# KiCad board HPPSI02.kicad_pcb (continued)
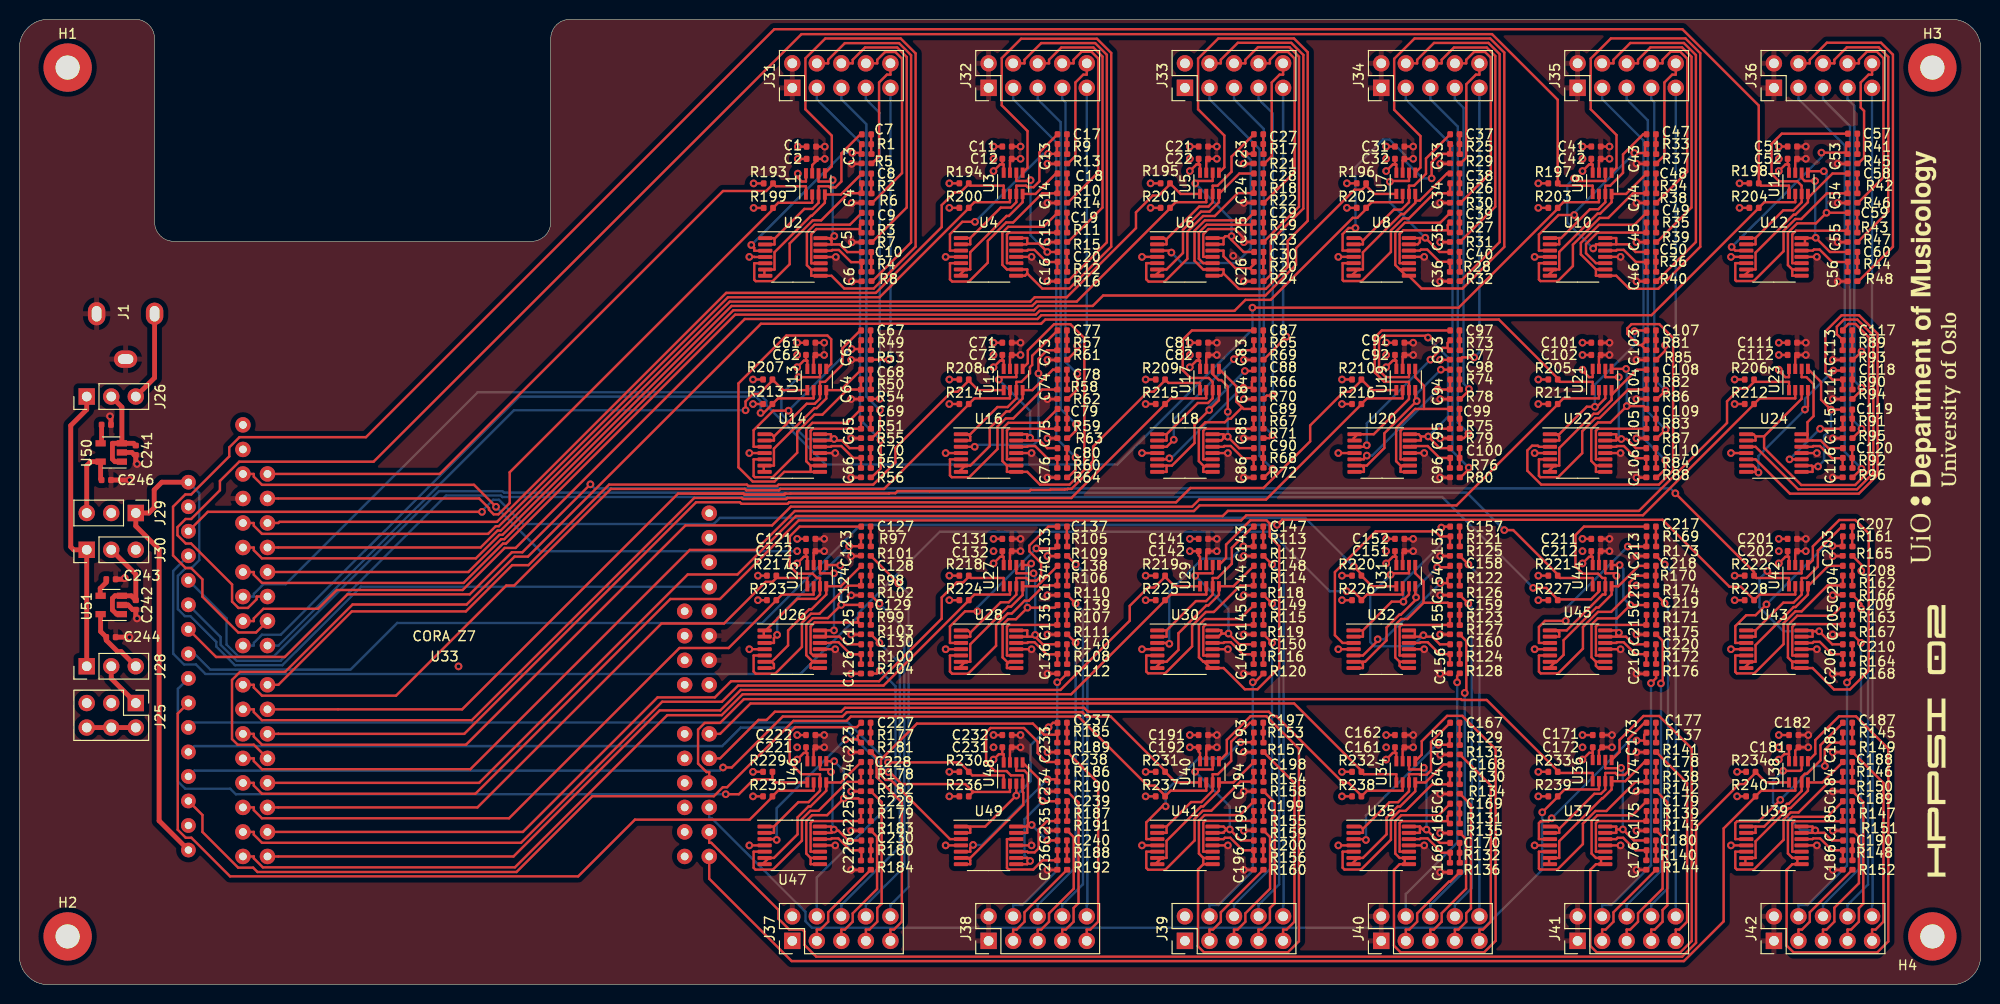
[diagram p0: board, top side]
## Placement (name value [footprint] x y rotation side) (continued)
R117  10K  [R_0402_1005Metric]  128.77 44.91 90 top
R118  10K  [R_0402_1005Metric]  128.77 40.85 90 top
R119  10K  [R_0402_1005Metric]  128.77 36.78 90 top
R120  10K  [R_0402_1005Metric]  128.77 32.72 90 top
R121  10K  [R_0402_1005Metric]  148.6 46.43 180 top
R122  10K  [R_0402_1005Metric]  148.58 42.37 180 top
R123  10K  [R_0402_1005Metric]  148.58 38.31 180 top
R124  10K  [R_0402_1005Metric]  148.58 34.24 180 top
R125  10K  [R_0402_1005Metric]  149.09 44.91 90 top
R126  10K  [R_0402_1005Metric]  149.09 40.85 90 top
R127  10K  [R_0402_1005Metric]  149.09 36.76 90 top
R128  10K  [R_0402_1005Metric]  149.09 32.74 90 top
R129  10K  [R_0402_1005Metric]  148.58 25.86 180 top
R130  10K  [R_0402_1005Metric]  148.58 21.8 180 top
R131  10K  [R_0402_1005Metric]  148.58 17.73 180 top
R132  10K  [R_0402_1005Metric]  148.58 13.67 180 top
R133  10K  [R_0402_1005Metric]  149.09 24.34 90 top
R134  10K  [R_0402_1005Metric]  149.09 20.27 90 top
R135  10K  [R_0402_1005Metric]  149.09 16.21 90 top
R136  10K  [R_0402_1005Metric]  149.09 12.14 90 top
R137  10K  [R_0402_1005Metric]  168.9 26.11 180 top
R138  10K  [R_0402_1005Metric]  168.88 22.05 180 top
R139  10K  [R_0402_1005Metric]  168.9 17.99 180 top
R140  10K  [R_0402_1005Metric]  168.9 13.92 180 top
R141  10K  [R_0402_1005Metric]  169.41 24.59 90 top
R142  10K  [R_0402_1005Metric]  169.41 20.55 90 top
R143  10K  [R_0402_1005Metric]  169.41 16.46 90 top
R144  10K  [R_0402_1005Metric]  169.41 12.4 90 top
R145  10K  [R_0402_1005Metric]  189.22 26.11 180 top
R146  10K  [R_0402_1005Metric]  189.22 22.05 180 top
R147  10K  [R_0402_1005Metric]  189.22 17.99 180 top
R148  10K  [R_0402_1005Metric]  189.22 13.92 180 top
R149  10K  [R_0402_1005Metric]  189.73 24.59 90 top
R150  10K  [R_0402_1005Metric]  189.73 20.53 90 top
R151  10K  [R_0402_1005Metric]  189.73 16.46 90 top
R152  10K  [R_0402_1005Metric]  189.73 12.4 90 top
R153  10K  [R_0402_1005Metric]  128.26 26.11 180 top
R154  10K  [R_0402_1005Metric]  128.26 22.05 180 top
R155  10K  [R_0402_1005Metric]  128.26 17.99 180 top
R156  10K  [R_0402_1005Metric]  128.26 13.92 180 top
R157  10K  [R_0402_1005Metric]  128.77 24.59 90 top
R158  10K  [R_0402_1005Metric]  128.77 20.53 90 top
R159  10K  [R_0402_1005Metric]  128.77 16.46 90 top
R160  10K  [R_0402_1005Metric]  128.77 12.4 90 top
R161  10K  [R_0402_1005Metric]  189.22 46.43 180 top
R162  10K  [R_0402_1005Metric]  189.22 42.37 180 top
R163  10K  [R_0402_1005Metric]  189.22 38.31 180 top
R164  10K  [R_0402_1005Metric]  189.22 34.24 180 top
R165  10K  [R_0402_1005Metric]  189.73 44.91 90 top
R166  10K  [R_0402_1005Metric]  189.73 40.85 90 top
R167  10K  [R_0402_1005Metric]  189.73 36.78 90 top
R168  10K  [R_0402_1005Metric]  189.73 32.72 90 top
R169  10K  [R_0402_1005Metric]  168.9 46.43 180 top
R170  10K  [R_0402_1005Metric]  168.88 42.37 180 top
R171  10K  [R_0402_1005Metric]  168.9 38.31 180 top
R172  10K  [R_0402_1005Metric]  168.88 34.24 180 top
R173  10K  [R_0402_1005Metric]  169.41 44.91 90 top
R174  10K  [R_0402_1005Metric]  169.41 40.87 90 top
R175  10K  [R_0402_1005Metric]  169.41 36.78 90 top
R176  10K  [R_0402_1005Metric]  169.41 32.74 90 top
R177  10K  [R_0402_1005Metric]  87.62 26.11 180 top
R178  10K  [R_0402_1005Metric]  87.62 22.05 180 top
R179  10K  [R_0402_1005Metric]  87.62 17.99 180 top
R180  10K  [R_0402_1005Metric]  87.64 13.92 180 top
R181  10K  [R_0402_1005Metric]  88.13 24.59 90 top
R182  10K  [R_0402_1005Metric]  88.13 20.53 90 top
R183  10K  [R_0402_1005Metric]  88.13 16.46 90 top
R184  10K  [R_0402_1005Metric]  88.13 12.4 90 top
R185  10K  [R_0402_1005Metric]  107.94 26.11 180 top
R186  10K  [R_0402_1005Metric]  107.94 22.05 180 top
R187  10K  [R_0402_1005Metric]  107.94 17.99 180 top
R188  10K  [R_0402_1005Metric]  107.94 13.92 180 top
R189  10K  [R_0402_1005Metric]  108.45 24.59 90 top
R190  10K  [R_0402_1005Metric]  108.45 20.53 90 top
R191  10K  [R_0402_1005Metric]  108.45 16.46 90 top
R192  10K  [R_0402_1005Metric]  108.45 12.4 90 top
R193  1K  [R_0402_1005Metric]  77.52 83 0 top
R194  1K  [R_0402_1005Metric]  97.78 83.01 0 top
R195  1K  [R_0402_1005Metric]  118.61 83.01 0 top
R196  1K  [R_0402_1005Metric]  138.91 83.01 0 top
R197  1K  [R_0402_1005Metric]  158.74 83.01 0 top
R198  1K  [R_0402_1005Metric]  179.54 83.01 0 top
R199  1K  [R_0402_1005Metric]  77.52 80.46 0 top
R200  1K  [R_0402_1005Metric]  97.78 80.47 0 top
R201  1K  [R_0402_1005Metric]  118.61 80.47 0 top
R202  1K  [R_0402_1005Metric]  138.91 80.47 0 top
R203  1K  [R_0402_1005Metric]  158.74 80.47 0 top
R204  1K  [R_0402_1005Metric]  179.54 80.47 0 top
R205  1K  [R_0402_1005Metric]  158.74 62.69 0 top
R206  1K  [R_0402_1005Metric]  179.06 62.69 0 top
R207  1K  [R_0402_1005Metric]  77.46 62.69 0 top
R208  1K  [R_0402_1005Metric]  97.78 62.69 0 top
R209  1K  [R_0402_1005Metric]  118.1 62.69 0 top
R210  1K  [R_0402_1005Metric]  138.42 62.69 0 top
R211  1K  [R_0402_1005Metric]  158.74 60.15 0 top
R212  1K  [R_0402_1005Metric]  179.06 60.15 0 top
R213  1K  [R_0402_1005Metric]  77.46 60.15 0 top
R214  1K  [R_0402_1005Metric]  97.78 60.15 0 top
R215  1K  [R_0402_1005Metric]  118.1 60.15 0 top
R216  1K  [R_0402_1005Metric]  138.42 60.15 0 top
R217  1K  [R_0402_1005Metric]  77.86 42.37 0 top
R218  1K  [R_0402_1005Metric]  97.78 42.37 0 top
R219  1K  [R_0402_1005Metric]  118.1 42.37 0 top
R220  1K  [R_0402_1005Metric]  138.42 42.37 0 top
R221  1K  [R_0402_1005Metric]  158.74 42.37 0 top
R222  1K  [R_0402_1005Metric]  179.06 42.37 0 top
R223  1K  [R_0402_1005Metric]  77.86 39.83 0 top
R224  1K  [R_0402_1005Metric]  97.78 39.83 0 top
R225  1K  [R_0402_1005Metric]  118.1 39.83 0 top
R226  1K  [R_0402_1005Metric]  138.42 39.83 0 top
R227  1K  [R_0402_1005Metric]  158.74 39.83 0 top
R228  1K  [R_0402_1005Metric]  179.06 39.83 0 top
R229  1K  [R_0402_1005Metric]  77.46 22.05 0 top
R230  1K  [R_0402_1005Metric]  97.78 22.05 0 top
R231  1K  [R_0402_1005Metric]  118.1 22.05 0 top
R232  1K  [R_0402_1005Metric]  138.42 22.05 0 top
R233  1K  [R_0402_1005Metric]  158.74 22.05 0 top
R234  1K  [R_0402_1005Metric]  179.21 22.05 0 top
R235  1K  [R_0402_1005Metric]  77.46 19.51 0 top
R236  1K  [R_0402_1005Metric]  97.78 19.51 0 top
R237  1K  [R_0402_1005Metric]  118.1 19.51 0 top
R238  1K  [R_0402_1005Metric]  138.42 19.51 0 top
R239  1K  [R_0402_1005Metric]  158.74 19.51 0 top
R240  1K  [R_0402_1005Metric]  179.21 19.51 0 top
U1  AD7991YRJZ-1500RL7  [SOT-23-8]  82.39 82.95 90 top
U2  AD8608ARZ-SOIC127P600X175-14N  [TSSOP-14_4.4x5mm_P0.65mm]  80.06 75.38 0 top
U3  AD7991YRJZ-1500RL7  [SOT-23-8]  102.86 83.01 90 top
U4  AD8608ARZ-SOIC127P600X175-14N  [TSSOP-14_4.4x5mm_P0.65mm]  100.32 75.39 0 top
U5  AD7991YRJZ-1500RL7  [SOT-23-8]  123.18 83.01 90 top
U6  AD8608ARZ-SOIC127P600X175-14N  [TSSOP-14_4.4x5mm_P0.65mm]  120.63 75.39 0 top
U7  AD7991YRJZ-1500RL7  [SOT-23-8]  143.5 83.01 90 top
U8  AD8608ARZ-SOIC127P600X175-14N  [TSSOP-14_4.4x5mm_P0.65mm]  140.96 75.39 0 top
U9  AD7991YRJZ-1500RL7  [SOT-23-8]  163.82 83.01 90 top
U10  AD8608ARZ-SOIC127P600X175-14N  [TSSOP-14_4.4x5mm_P0.65mm]  161.28 75.39 0 top
U11  AD7991YRJZ-1500RL7  [SOT-23-8]  184.14 83.01 90 top
U12  AD8608ARZ-SOIC127P600X175-14N  [TSSOP-14_4.4x5mm_P0.65mm]  181.6 75.39 0 top
U13  AD7991YRJZ-1500RL7  [SOT-23-8]  82.54 62.69 90 top
U14  AD8608ARZ-SOIC127P600X175-14N  [TSSOP-14_4.4x5mm_P0.65mm]  80 55.07 0 top
U15  AD7991YRJZ-1500RL7  [SOT-23-8]  102.86 62.69 90 top
U16  AD8608ARZ-SOIC127P600X175-14N  [TSSOP-14_4.4x5mm_P0.65mm]  100.32 55.07 0 top
U17  AD7991YRJZ-1500RL7  [SOT-23-8]  123.18 62.69 90 top
U18  AD8608ARZ-SOIC127P600X175-14N  [TSSOP-14_4.4x5mm_P0.65mm]  120.64 55.07 0 top
U19  AD7991YRJZ-1500RL7  [SOT-23-8]  143.5 62.69 90 top
U20  AD8608ARZ-SOIC127P600X175-14N  [TSSOP-14_4.4x5mm_P0.65mm]  141.06 55.07 0 top
U21  AD7991YRJZ-1500RL7  [SOT-23-8]  163.82 62.69 90 top
U22  AD8608ARZ-SOIC127P600X175-14N  [TSSOP-14_4.4x5mm_P0.65mm]  161.28 55.07 0 top
U23  AD7991YRJZ-1500RL7  [SOT-23-8]  184.14 62.69 90 top
U24  AD8608ARZ-SOIC127P600X175-14N  [TSSOP-14_4.4x5mm_P0.65mm]  181.6 55.07 0 top
U25  AD7991YRJZ-1500RL7  [SOT-23-8]  82.54 42.37 90 top
U26  AD8608ARZ-SOIC127P600X175-14N  [TSSOP-14_4.4x5mm_P0.65mm]  80 34.75 0 top
U27  AD7991YRJZ-1500RL7  [SOT-23-8]  102.86 42.37 90 top
U28  AD8608ARZ-SOIC127P600X175-14N  [TSSOP-14_4.4x5mm_P0.65mm]  100.32 34.75 0 top
U29  AD7991YRJZ-1500RL7  [SOT-23-8]  123.18 42.37 90 top
U30  AD8608ARZ-SOIC127P600X175-14N  [TSSOP-14_4.4x5mm_P0.65mm]  120.64 34.75 0 top
U31  AD7991YRJZ-1500RL7  [SOT-23-8]  143.5 42.37 90 top
U32  AD8608ARZ-SOIC127P600X175-14N  [TSSOP-14_4.4x5mm_P0.65mm]  140.96 34.75 0 top
U33  Digilent-CoraZ7  [CoraZ7_stack]  16 -1 0 top
U34  AD7991YRJZ-1500RL7  [SOT-23-8]  143.5 22.05 90 top
U35  AD8608ARZ-SOIC127P600X175-14N  [TSSOP-14_4.4x5mm_P0.65mm]  140.96 14.43 0 top
U36  AD7991YRJZ-1500RL7  [SOT-23-8]  163.82 22.18 90 top
U37  AD8608ARZ-SOIC127P600X175-14N  [TSSOP-14_4.4x5mm_P0.65mm]  161.28 14.43 0 top
U38  AD7991YRJZ-1500RL7  [SOT-23-8]  184.14 22.05 90 top
U39  AD8608ARZ-SOIC127P600X175-14N  [TSSOP-14_4.4x5mm_P0.65mm]  181.6 14.43 0 top
U40  AD7991YRJZ-1500RL7  [SOT-23-8]  123.18 22.05 90 top
U41  AD8608ARZ-SOIC127P600X175-14N  [TSSOP-14_4.4x5mm_P0.65mm]  120.64 14.43 0 top
U42  AD7991YRJZ-1500RL7  [SOT-23-8]  184.14 42.37 90 top
U43  AD8608ARZ-SOIC127P600X175-14N  [TSSOP-14_4.4x5mm_P0.65mm]  181.6 34.75 0 top
U44  AD7991YRJZ-1500RL7  [SOT-23-8]  163.82 42.37 90 top
U45  AD8608ARZ-SOIC127P600X175-14N  [TSSOP-14_4.4x5mm_P0.65mm]  161.28 34.75 0 top
U46  AD7991YRJZ-1500RL7  [SOT-23-8]  82.54 22.05 90 top
U47  AD8608ARZ-SOIC127P600X175-14N  [TSSOP-14_4.4x5mm_P0.65mm]  80 14.43 0 top
U48  AD7991YRJZ-1500RL7  [SOT-23-8]  102.86 21.92 90 top
U49  AD8608ARZ-SOIC127P600X175-14N  [TSSOP-14_4.4x5mm_P0.65mm]  100.32 14.43 0 top
U50  TPS79330-EP  [SOT-23-5]  9.52 55.13 180 top
U51  TPS73150DBV  [SOT-23-5]  9.52 39.33 180 top

## Footprints (pads in the part's own frame, mm; a bottom-side part is the same pattern mirrored in y, then rotated)
C_0402_1005Metric
  rrect 0.59x0.64 smd: 1(-0.485,0) 2(0.485,0)
CoraZ7_stack
  oval 1.6x1.6 hole 0.8: 1(7.144,14.284) 2(7.144,16.824) 3(7.144,19.364) 4(7.144,21.904) 5(7.144,24.444) 6(7.144,26.984) 7(7.144,29.524) 8(7.144,32.064) 9(7.144,36.128) 10(7.144,38.664) 11(7.144,41.204) 12(7.144,43.744) 13(7.144,46.284) 14(7.144,48.824) 15(7.144,51.364) 16(7.144,53.904) 17(7.144,56.444) 18(7.144,58.988) 19(9.684,14.284) 20(9.684,16.824) 21(9.684,19.364) 22(9.684,21.904) 23(9.684,24.444) 24(9.684,26.984) 25(9.684,29.524) 26(9.684,32.064) 27(9.684,36.128) 28(9.684,38.668) 29(9.684,41.208) 30(9.684,43.748) 31(9.684,46.288) 32(9.684,48.828) 33(9.684,51.368) 34(9.684,53.908) 35(52.864,14.284) 36(52.864,16.824) 37(52.864,19.364) 38(52.864,21.904) 39(52.864,24.444) 40(52.864,26.984) 41(52.864,32.064) 42(52.864,34.604) 43(52.864,37.144) 44(52.864,39.684) 45(55.404,14.284) 46(55.404,16.824) 47(55.404,19.364) 48(55.404,21.904) 49(55.404,24.444) 50(55.404,26.984) 51(55.404,32.064) 52(55.404,34.604) 53(55.404,37.144) 54(55.404,39.684) 55(55.404,42.224) 56(55.404,44.764) 57(55.404,47.304) 58(55.404,49.844)
  round 1.524 hole 0.762: 59(1.5,14.95) 60(1.5,17.49) 61(1.5,20.03) 62(1.5,22.57) 63(1.5,25.11) 64(1.5,27.65) 65(1.5,30.19) 66(1.5,32.73) 67(1.5,35.27) 68(1.5,37.81) 69(1.5,40.35) 70(1.5,42.89) 71(1.5,45.43) 72(1.5,47.97) 73(1.5,50.51) 74(1.5,53.05)
FC681465P
  oval 2.3x1.8 hole 1.6x1: 1(0,-3)
  oval 2.4x1.8 hole 1.6x1: 2(0,3)
  oval 1.8x2.4 hole 1x1.6: 3(-4.7,0)
MountingHole_2.5mm_Pad
  round 5 hole 2.5: 1(0,0)
PinHeader_1x03_P2.54mm_Vertical
  rect 1.7x1.7 hole 1: 1(0,0)
  oval 1.7x1.7 hole 1: 2(0,-2.54) 3(0,-5.08)
PinHeader_2x03_P2.54mm_Vertical
  rect 1.7x1.7 hole 1: 1(0,0)
  oval 1.7x1.7 hole 1: 2(2.54,0) 3(0,-2.54) 4(2.54,-2.54) 5(0,-5.08) 6(2.54,-5.08)
PinHeader_2x05_P2.54mm_Vertical
  rect 1.7x1.7 hole 1: 1(0,0)
  oval 1.7x1.7 hole 1: 2(2.54,0) 3(0,-2.54) 4(2.54,-2.54) 5(0,-5.08) 6(2.54,-5.08) 7(0,-7.62) 8(2.54,-7.62) 9(0,-10.16) 10(2.54,-10.16)
R_0402_1005Metric
  rrect 0.59x0.64 smd: 1(-0.485,0) 2(0.485,0)
SOT-23-5
  rect 1.06x0.65 smd: 1(-1.1,0.95) 2(-1.1,0) 3(-1.1,-0.95) 4(1.1,-0.95) 5(1.1,0.95)
SOT-23-8
  rect 1.06x0.4 smd: 1(-1.1,0.98) 2(-1.1,0.33) 3(-1.1,-0.33) 4(-1.1,-0.98) 5(1.1,-0.98) 6(1.1,-0.33) 7(1.1,0.33) 8(1.1,0.98)
TSSOP-14_4.4x5mm_P0.65mm
  rrect 1.475x0.4 smd: 1(-2.862,1.95) 2(-2.862,1.3) 3(-2.862,0.65) 4(-2.862,0) 5(-2.862,-0.65) 6(-2.862,-1.3) 7(-2.862,-1.95) 8(2.862,-1.95) 9(2.862,-1.3) 10(2.862,-0.65) 11(2.862,0) 12(2.862,0.65) 13(2.862,1.3) 14(2.862,1.95)

## Nets
3V3_CoraZ7: J29.1 U33.55 U33.59 U33.74
3V3_Reg: C246.1 J29.3 U50.5
5V_CoraZ7: J26.1 J28.1 J30.1 U33.54
5V_Reg: C244.1 J28.3 U51.5
+3V3: C1.1 C2.1 C11.1 C12.1 C21.1 C22.1 C31.1 C32.1 C41.1 C42.1 C51.1 C52.1 C61.1 C62.1 C71.1 C72.1 C81.1 C82.1 C91.1 C92.1 C101.1 C102.1 C111.1 C112.1 C121.1 C122.1 C131.1 C132.1 C141.1 C142.1 C151.1 C152.1 C161.1 C162.1 C171.1 C172.1 C181.1 C182.1 C191.1 C192.1 C201.1 C202.1 C211.1 C212.1 C221.1 C222.1 C231.1 C232.1 J25.3 J29.2 R193.1 R194.1 R195.1 R196.1 R197.1 R198.1 R199.1 R200.1 R201.1 R202.1 R203.1 R204.1 R205.1 R206.1 R207.1 R208.1 R209.1 R210.1 R211.1 R212.1 R213.1 R214.1 R215.1 R216.1 R217.1 R218.1 R219.1 R220.1 R221.1 R222.1 R223.1 R224.1 R225.1 R226.1 R227.1 R228.1 R229.1 R230.1 R231.1 R232.1 R233.1 R234.1 R235.1 R236.1 R237.1 R238.1 R239.1 R240.1 U1.8 U3.8 U5.8 U7.8 U9.8 U11.8 U13.8 U15.8 U17.8 U19.8 U21.8 U23.8 U25.8 U27.8 U29.8 U31.8 U34.8 U36.8 U38.8 U40.8 U42.8 U44.8 U46.8 U48.8
+5V: J25.1 J28.2
GND: C1.2 C2.2 C3.2 C4.2 C5.2 C6.2 C11.2 C12.2 C13.2 C14.2 C15.2 C16.2 C21.2 C22.2 C23.2 C24.2 C25.2 C26.2 C31.2 C32.2 C33.2 C34.2 C35.2 C36.2 C41.2 C42.2 C43.2 C44.2 C45.2 C46.2 C51.2 C52.2 C53.2 C54.2 C55.2 C56.2 C61.2 C62.2 C63.2 C64.2 C65.2 C66.2 C71.2 C72.2 C73.2 C74.2 C75.2 C76.2 C81.2 C82.2 C83.2 C84.2 C85.2 C86.2 C91.2 C92.2 C93.2 C94.2 C95.2 C96.2 C101.2 C102.2 C103.2 C104.2 C105.2 C106.2 C111.2 C112.2 C113.2 C114.2 C115.2 C116.2 C121.2 C122.2 C123.2 C124.2 C125.2 C126.2 C131.2 C132.2 C133.2 C134.2 C135.2 C136.2 C141.2 C142.2 C143.2 C144.2 C145.2 C146.2 C151.2 C152.2 C153.2 C154.2 C155.2 C156.2 C161.2 C162.2 C163.2 C164.2 C165.2 C166.2 C171.2 C172.2 C173.2 C174.2 C175.2 C176.2 C181.2 C182.2 C183.2 C184.2 C185.2 C186.2 C191.2 C192.2 C193.2 C194.2 C195.2 C196.2 C201.2 C202.2 C203.2 C204.2 C205.2 C206.2 C211.2 C212.2 C213.2 C214.2 C215.2 C216.2 C221.2 C222.2 C223.2 C224.2 C225.2 C226.2 C231.2 C232.2 C233.2 C234.2 C235.2 C236.2 C241.2 C242.2 C243.2 C244.2 C245.2 C246.2 J1.2 J1.3 J31.1 J31.2 J32.1 J32.2 J34.1 J34.2 J35.1 J35.2 J36.1 J36.2 J37.1 J37.2 J38.1 J38.2 J40.1 J40.2 J41.1 J41.2 J42.1 J42.2 U1.7 U2.11 U3.7 U4.11 U5.7 U6.11 U7.7 U8.11 U9.7 U10.11 U11.7 U12.11 U13.7 U14.11 U15.7 U16.11 U17.7 U18.11 U19.7 U20.11 U21.7 U22.11 U23.7 U24.11 U25.7 U26.11 U27.7 U28.11 U29.7 U30.11 U31.7 U32.11 U33.15 U33.52 U33.53 U33.60 U33.73 U34.7 U35.11 U36.7 U37.11 U38.7 U39.11 U40.7 U41.11 U42.7 U43.11 U44.7 U45.11 U46.7 U47.11 U48.7 U49.11 U50.2 U51.2
VDD_Filters: J25.2 J25.4 J25.6 U2.4 U4.4 U6.4 U8.4 U10.4 U12.4 U14.4 U16.4 U18.4 U20.4 U22.4 U24.4 U26.4 U28.4 U30.4 U32.4 U35.4 U37.4 U39.4 U41.4 U43.4 U45.4 U47.4 U49.4
VDD_Filters_External: J25.5
VIN1_0: J31.4 R8.1
VIN1_1: J32.4 R16.1
VIN1_2: J33.4 R24.1
VIN1_3: J34.4 R32.1
VIN1_4: J35.4 R40.1
VIN1_5: J36.4 R48.1
VIN1_6: J31.3 R56.1
VIN1_7: J32.3 R64.1
VIN1_8: J33.3 R72.1
VIN1_9: J34.3 R80.1
VIN1_10: J35.3 R88.1
VIN1_11: J36.3 R96.1
VIN1_12: J37.4 R104.1
VIN1_13: J38.4 R112.1
VIN1_14: J39.4 R120.1
VIN1_15: J40.4 R128.1
VIN1_16: J41.4 R176.1
VIN1_17: J42.4 R168.1
VIN1_18: J37.3 R184.1
VIN1_19: J38.3 R192.1
VIN1_20: J39.3 R160.1
VIN1_21: J40.3 R136.1
VIN1_22: J41.3 R144.1
VIN1_23: J42.3 R152.1
VIN2_0: J31.6 R7.1
VIN2_1: J32.6 R15.1
VIN2_2: J33.6 R23.1
VIN2_3: J34.6 R31.1
VIN2_4: J35.6 R39.1
VIN2_5: J36.6 R47.1
VIN2_6: J31.5 R55.1
VIN2_7: J32.5 R63.1
VIN2_8: J33.5 R71.1
VIN2_9: J34.5 R79.1
VIN2_10: J35.5 R87.1
VIN2_11: J36.5 R95.1
VIN2_12: J37.6 R103.1
VIN2_13: J38.6 R111.1
VIN2_14: J39.6 R119.1
VIN2_15: J40.6 R127.1
VIN2_16: J41.6 R175.1
VIN2_17: J42.6 R167.1
VIN2_18: J37.5 R183.1
VIN2_19: J38.5 R191.1
VIN2_20: J39.5 R159.1
VIN2_21: J40.5 R135.1
VIN2_22: J41.5 R143.1
VIN2_23: J42.5 R151.1
VIN3_0: J31.8 R6.1
VIN3_1: J32.8 R14.1
VIN3_2: J33.8 R22.1
VIN3_3: J34.8 R30.1
VIN3_4: J35.8 R38.1
VIN3_5: J36.8 R46.1
VIN3_6: J31.7 R54.1
VIN3_7: J32.7 R62.1
VIN3_8: J33.7 R70.1
VIN3_9: J34.7 R78.1
VIN3_10: J35.7 R86.1
VIN3_11: J36.7 R94.1
VIN3_12: J37.8 R102.1
VIN3_13: J38.8 R110.1
VIN3_14: J39.8 R118.1
VIN3_15: J40.8 R126.1
VIN3_16: J41.8 R174.1
VIN3_17: J42.8 R166.1
VIN3_18: J37.7 R182.1
VIN3_19: J38.7 R190.1
VIN3_20: J39.7 R158.1
VIN3_21: J40.7 R134.1
VIN3_22: J41.7 R142.1
VIN3_23: J42.7 R150.1
VIN4_0: J31.10 R5.1
VIN4_1: J32.10 R13.1
VIN4_2: J33.10 R21.1
VIN4_3: J34.10 R29.1
VIN4_4: J35.10 R37.1
VIN4_5: J36.10 R45.1
VIN4_6: J31.9 R53.1
VIN4_7: J32.9 R61.1
VIN4_8: J33.9 R69.1
VIN4_9: J34.9 R77.1
VIN4_10: J35.9 R85.1
VIN4_11: J36.9 R93.1
VIN4_12: J37.10 R101.1
VIN4_13: J38.10 R109.1
VIN4_14: J39.10 R117.1
VIN4_15: J40.10 R125.1
VIN4_16: J41.10 R173.1
VIN4_17: J42.10 R165.1
VIN4_18: J37.9 R181.1
VIN4_19: J38.9 R189.1
VIN4_20: J39.9 R157.1
VIN4_21: J40.9 R133.1
VIN4_22: J41.9 R141.1
VIN4_23: J42.9 R149.1
SCL0: R199.2 U1.2 U33.33
SCL1: R200.2 U3.2 U33.14
SCL2: R201.2 U5.2 U33.13
SCL3: R202.2 U7.2 U33.12
SCL4: R203.2 U9.2 U33.11
SCL5: R204.2 U11.2 U33.10
SCL6: R213.2 U13.2 U33.9
SCL7: R214.2 U15.2 U33.8
SCL8: R215.2 U17.2 U33.7
SCL9: R216.2 U19.2 U33.6
SCL10: R211.2 U21.2 U33.5
SCL11: R212.2 U23.2 U33.4
SCL12: R223.2 U25.2 U33.3
SCL13: R224.2 U27.2 U33.2
SCL14: R225.2 U29.2 U33.1
SCL15: R226.2 U31.2 U33.71
SCL16: R227.2 U33.69 U44.2
SCL17: R228.2 U33.67 U42.2
SCL18: R235.2 U33.65 U46.2
SCL19: R236.2 U33.63 U48.2
SCL20: R237.2 U33.61 U40.2
SCL21: R238.2 U33.49 U34.2
SCL22: R239.2 U33.47 U36.2
SCL23: R240.2 U33.45 U38.2
SDA0: R193.2 U1.1 U33.34
SDA1: R194.2 U3.1 U33.32
SDA2: R195.2 U5.1 U33.31
SDA3: R196.2 U7.1 U33.30
SDA4: R197.2 U9.1 U33.29
SDA5: R198.2 U11.1 U33.28
SDA6: R207.2 U13.1 U33.27
SDA7: R208.2 U15.1 U33.26
SDA8: R209.2 U17.1 U33.25
SDA9: R210.2 U19.1 U33.24
SDA10: R205.2 U21.1 U33.23
SDA11: R206.2 U23.1 U33.22
SDA12: R217.2 U25.1 U33.21
SDA13: R218.2 U27.1 U33.20
SDA14: R219.2 U29.1 U33.19
SDA15: R220.2 U31.1 U33.72
SDA16: R221.2 U33.70 U44.1
SDA17: R222.2 U33.68 U42.1
SDA18: R229.2 U33.66 U46.1
SDA19: R230.2 U33.64 U48.1
SDA20: R231.2 U33.62 U40.1
SDA21: R232.2 U33.50 U34.1
SDA22: R233.2 U33.48 U36.1
SDA23: R234.2 U33.46 U38.1
V_RAW: J1.1 J26.3 J30.3
Net-(C3-Pad1): C3.1 R1.2 U2.3
Net-(C4-Pad1): C4.1 R2.2 U2.5
Net-(C5-Pad1): C5.1 R3.2 U2.10
Net-(C6-Pad1): C6.1 R4.2 U2.12
Net-(C7-Pad1): C7.1 U1.3 U2.1 U2.2
Net-(C7-Pad2): C7.2 R1.1 R5.2
Net-(C8-Pad1): C8.1 U1.4 U2.6 U2.7
Net-(C8-Pad2): C8.2 R2.1 R6.2
Net-(C9-Pad1): C9.1 U1.5 U2.8 U2.9
Net-(C9-Pad2): C9.2 R3.1 R7.2
Net-(C10-Pad1): C10.1 U1.6 U2.13 U2.14
Net-(C10-Pad2): C10.2 R4.1 R8.2
Net-(C13-Pad1): C13.1 R9.2 U4.3
Net-(C14-Pad1): C14.1 R10.2 U4.5
Net-(C15-Pad1): C15.1 R11.2 U4.10
Net-(C16-Pad1): C16.1 R12.2 U4.12
Net-(C17-Pad1): C17.1 U3.3 U4.1 U4.2
Net-(C17-Pad2): C17.2 R9.1 R13.2
Net-(C18-Pad1): C18.1 U3.4 U4.6 U4.7
Net-(C18-Pad2): C18.2 R10.1 R14.2
Net-(C19-Pad1): C19.1 U3.5 U4.8 U4.9
Net-(C19-Pad2): C19.2 R11.1 R15.2
Net-(C20-Pad1): C20.1 U3.6 U4.13 U4.14
Net-(C20-Pad2): C20.2 R12.1 R16.2
Net-(C23-Pad1): C23.1 R17.2 U6.3
Net-(C24-Pad1): C24.1 R18.2 U6.5
Net-(C25-Pad1): C25.1 R19.2 U6.10
Net-(C26-Pad1): C26.1 R20.2 U6.12
Net-(C27-Pad1): C27.1 U5.3 U6.1 U6.2
Net-(C27-Pad2): C27.2 R17.1 R21.2
Net-(C28-Pad1): C28.1 U5.4 U6.6 U6.7
Net-(C28-Pad2): C28.2 R18.1 R22.2
Net-(C29-Pad1): C29.1 U5.5 U6.8 U6.9
Net-(C29-Pad2): C29.2 R19.1 R23.2
Net-(C30-Pad1): C30.1 U5.6 U6.13 U6.14
Net-(C30-Pad2): C30.2 R20.1 R24.2
Net-(C33-Pad1): C33.1 R25.2 U8.3
Net-(C34-Pad1): C34.1 R26.2 U8.5
Net-(C35-Pad1): C35.1 R27.2 U8.10
Net-(C36-Pad1): C36.1 R28.2 U8.12
Net-(C37-Pad1): C37.1 U7.3 U8.1 U8.2
Net-(C37-Pad2): C37.2 R25.1 R29.2
Net-(C38-Pad1): C38.1 U7.4 U8.6 U8.7
Net-(C38-Pad2): C38.2 R26.1 R30.2
Net-(C39-Pad1): C39.1 U7.5 U8.8 U8.9
Net-(C39-Pad2): C39.2 R27.1 R31.2
Net-(C40-Pad1): C40.1 U7.6 U8.13 U8.14
Net-(C40-Pad2): C40.2 R28.1 R32.2
Net-(C43-Pad1): C43.1 R33.2 U10.3
Net-(C44-Pad1): C44.1 R34.2 U10.5
Net-(C45-Pad1): C45.1 R35.2 U10.10
Net-(C46-Pad1): C46.1 R36.2 U10.12
Net-(C47-Pad1): C47.1 U9.3 U10.1 U10.2
Net-(C47-Pad2): C47.2 R33.1 R37.2
Net-(C48-Pad1): C48.1 U9.4 U10.6 U10.7
Net-(C48-Pad2): C48.2 R34.1 R38.2
Net-(C49-Pad1): C49.1 U9.5 U10.8 U10.9
Net-(C49-Pad2): C49.2 R35.1 R39.2
Net-(C50-Pad1): C50.1 U9.6 U10.13 U10.14
Net-(C50-Pad2): C50.2 R36.1 R40.2
Net-(C53-Pad1): C53.1 R41.2 U12.3
Net-(C54-Pad1): C54.1 R42.2 U12.5
Net-(C55-Pad1): C55.1 R43.2 U12.10
Net-(C56-Pad1): C56.1 R44.2 U12.12
Net-(C57-Pad1): C57.1 U11.3 U12.1 U12.2
Net-(C57-Pad2): C57.2 R41.1 R45.2
Net-(C58-Pad1): C58.1 U11.4 U12.6 U12.7
Net-(C58-Pad2): C58.2 R42.1 R46.2
Net-(C59-Pad1): C59.1 U11.5 U12.8 U12.9
Net-(C59-Pad2): C59.2 R43.1 R47.2
Net-(C60-Pad1): C60.1 U11.6 U12.13 U12.14
Net-(C60-Pad2): C60.2 R44.1 R48.2
Net-(C63-Pad1): C63.1 R49.2 U14.3
Net-(C64-Pad1): C64.1 R50.2 U14.5
Net-(C65-Pad1): C65.1 R51.2 U14.10
Net-(C66-Pad1): C66.1 R52.2 U14.12
Net-(C67-Pad1): C67.1 U13.3 U14.1 U14.2
Net-(C67-Pad2): C67.2 R49.1 R53.2
Net-(C68-Pad1): C68.1 U13.4 U14.6 U14.7
Net-(C68-Pad2): C68.2 R50.1 R54.2
Net-(C69-Pad1): C69.1 U13.5 U14.8 U14.9
Net-(C69-Pad2): C69.2 R51.1 R55.2
Net-(C70-Pad1): C70.1 U13.6 U14.13 U14.14
Net-(C70-Pad2): C70.2 R52.1 R56.2
Net-(C73-Pad1): C73.1 R57.2 U16.3
Net-(C74-Pad1): C74.1 R58.2 U16.5
Net-(C75-Pad1): C75.1 R59.2 U16.10
Net-(C76-Pad1): C76.1 R60.2 U16.12
Net-(C77-Pad1): C77.1 U15.3 U16.1 U16.2
Net-(C77-Pad2): C77.2 R57.1 R61.2
Net-(C78-Pad1): C78.1 U15.4 U16.6 U16.7
Net-(C78-Pad2): C78.2 R58.1 R62.2
Net-(C79-Pad1): C79.1 U15.5 U16.8 U16.9
Net-(C79-Pad2): C79.2 R59.1 R63.2
Net-(C80-Pad1): C80.1 U15.6 U16.13 U16.14
Net-(C80-Pad2): C80.2 R60.1 R64.2
Net-(C83-Pad1): C83.1 R65.2 U18.3
Net-(C84-Pad1): C84.1 R66.2 U18.5
Net-(C85-Pad1): C85.1 R67.2 U18.10
Net-(C86-Pad1): C86.1 R68.2 U18.12
Net-(C87-Pad1): C87.1 U17.3 U18.1 U18.2
Net-(C87-Pad2): C87.2 R65.1 R69.2
Net-(C88-Pad1): C88.1 U17.4 U18.6 U18.7
Net-(C88-Pad2): C88.2 R66.1 R70.2
Net-(C89-Pad1): C89.1 U17.5 U18.8 U18.9
Net-(C89-Pad2): C89.2 R67.1 R71.2
Net-(C90-Pad1): C90.1 U17.6 U18.13 U18.14
Net-(C90-Pad2): C90.2 R68.1 R72.2
Net-(C93-Pad1): C93.1 R73.2 U20.3
Net-(C94-Pad1): C94.1 R74.2 U20.5
Net-(C95-Pad1): C95.1 R75.2 U20.10
Net-(C96-Pad1): C96.1 R76.2 U20.12
Net-(C97-Pad1): C97.1 U19.3 U20.1 U20.2
Net-(C97-Pad2): C97.2 R73.1 R77.2
Net-(C98-Pad1): C98.1 U19.4 U20.6 U20.7
Net-(C98-Pad2): C98.2 R74.1 R78.2
Net-(C99-Pad1): C99.1 U19.5 U20.8 U20.9
Net-(C99-Pad2): C99.2 R75.1 R79.2
Net-(C100-Pad1): C100.1 U19.6 U20.13 U20.14
Net-(C100-Pad2): C100.2 R76.1 R80.2
Net-(C103-Pad1): C103.1 R81.2 U22.3
Net-(C104-Pad1): C104.1 R82.2 U22.5
Net-(C105-Pad1): C105.1 R83.2 U22.10
Net-(C106-Pad1): C106.1 R84.2 U22.12
Net-(C107-Pad1): C107.1 U21.3 U22.1 U22.2
Net-(C107-Pad2): C107.2 R81.1 R85.2
Net-(C108-Pad1): C108.1 U21.4 U22.6 U22.7
Net-(C108-Pad2): C108.2 R82.1 R86.2
Net-(C109-Pad1): C109.1 U21.5 U22.8 U22.9
Net-(C109-Pad2): C109.2 R83.1 R87.2
Net-(C110-Pad1): C110.1 U21.6 U22.13 U22.14
Net-(C110-Pad2): C110.2 R84.1 R88.2
Net-(C113-Pad1): C113.1 R89.2 U24.3
Net-(C114-Pad1): C114.1 R90.2 U24.5
Net-(C115-Pad1): C115.1 R91.2 U24.10
Net-(C116-Pad1): C116.1 R92.2 U24.12
Net-(C117-Pad1): C117.1 U23.3 U24.1 U24.2
Net-(C117-Pad2): C117.2 R89.1 R93.2
Net-(C118-Pad1): C118.1 U23.4 U24.6 U24.7
Net-(C118-Pad2): C118.2 R90.1 R94.2
Net-(C119-Pad1): C119.1 U23.5 U24.8 U24.9
Net-(C119-Pad2): C119.2 R91.1 R95.2
Net-(C120-Pad1): C120.1 U23.6 U24.13 U24.14
Net-(C120-Pad2): C120.2 R92.1 R96.2
Net-(C123-Pad1): C123.1 R97.2 U26.3
Net-(C124-Pad1): C124.1 R98.2 U26.5
Net-(C125-Pad1): C125.1 R99.2 U26.10
Net-(C126-Pad1): C126.1 R100.2 U26.12
Net-(C127-Pad1): C127.1 U25.3 U26.1 U26.2
Net-(C127-Pad2): C127.2 R97.1 R101.2
Net-(C128-Pad1): C128.1 U25.4 U26.6 U26.7
Net-(C128-Pad2): C128.2 R98.1 R102.2
Net-(C129-Pad1): C129.1 U25.5 U26.8 U26.9
Net-(C129-Pad2): C129.2 R99.1 R103.2
Net-(C130-Pad1): C130.1 U25.6 U26.13 U26.14
Net-(C130-Pad2): C130.2 R100.1 R104.2
Net-(C133-Pad1): C133.1 R105.2 U28.3
Net-(C134-Pad1): C134.1 R106.2 U28.5
Net-(C135-Pad1): C135.1 R107.2 U28.10
Net-(C136-Pad1): C136.1 R108.2 U28.12
Net-(C137-Pad1): C137.1 U27.3 U28.1 U28.2
Net-(C137-Pad2): C137.2 R105.1 R109.2
Net-(C138-Pad1): C138.1 U27.4 U28.6 U28.7
Net-(C138-Pad2): C138.2 R106.1 R110.2
Net-(C139-Pad1): C139.1 U27.5 U28.8 U28.9
Net-(C139-Pad2): C139.2 R107.1 R111.2
Net-(C140-Pad1): C140.1 U27.6 U28.13 U28.14
Net-(C140-Pad2): C140.2 R108.1 R112.2
Net-(C143-Pad1): C143.1 R113.2 U30.3
Net-(C144-Pad1): C144.1 R114.2 U30.5
Net-(C145-Pad1): C145.1 R115.2 U30.10
Net-(C146-Pad1): C146.1 R116.2 U30.12
Net-(C147-Pad1): C147.1 U29.3 U30.1 U30.2
Net-(C147-Pad2): C147.2 R113.1 R117.2
Net-(C148-Pad1): C148.1 U29.4 U30.6 U30.7
Net-(C148-Pad2): C148.2 R114.1 R118.2
Net-(C149-Pad1): C149.1 U29.5 U30.8 U30.9
Net-(C149-Pad2): C149.2 R115.1 R119.2
Net-(C150-Pad1): C150.1 U29.6 U30.13 U30.14
Net-(C150-Pad2): C150.2 R116.1 R120.2
Net-(C153-Pad1): C153.1 R121.2 U32.3
Net-(C154-Pad1): C154.1 R122.2 U32.5
Net-(C155-Pad1): C155.1 R123.2 U32.10
Net-(C156-Pad1): C156.1 R124.2 U32.12
Net-(C157-Pad1): C157.1 U31.3 U32.1 U32.2
Net-(C157-Pad2): C157.2 R121.1 R125.2
Net-(C158-Pad1): C158.1 U31.4 U32.6 U32.7
Net-(C158-Pad2): C158.2 R122.1 R126.2
Net-(C159-Pad1): C159.1 U31.5 U32.8 U32.9
Net-(C159-Pad2): C159.2 R123.1 R127.2
Net-(C160-Pad1): C160.1 U31.6 U32.13 U32.14
Net-(C160-Pad2): C160.2 R124.1 R128.2
Net-(C163-Pad1): C163.1 R129.2 U35.3
Net-(C164-Pad1): C164.1 R130.2 U35.5
Net-(C165-Pad1): C165.1 R131.2 U35.10
Net-(C166-Pad1): C166.1 R132.2 U35.12
Net-(C167-Pad1): C167.1 U34.3 U35.1 U35.2
Net-(C167-Pad2): C167.2 R129.1 R133.2
Net-(C168-Pad1): C168.1 U34.4 U35.6 U35.7
Net-(C168-Pad2): C168.2 R130.1 R134.2
Net-(C169-Pad1): C169.1 U34.5 U35.8 U35.9
Net-(C169-Pad2): C169.2 R131.1 R135.2
Net-(C170-Pad1): C170.1 U34.6 U35.13 U35.14
Net-(C170-Pad2): C170.2 R132.1 R136.2
Net-(C173-Pad1): C173.1 R137.2 U37.3
Net-(C174-Pad1): C174.1 R138.2 U37.5
Net-(C175-Pad1): C175.1 R139.2 U37.10
Net-(C176-Pad1): C176.1 R140.2 U37.12
Net-(C177-Pad1): C177.1 U36.3 U37.1 U37.2
Net-(C177-Pad2): C177.2 R137.1 R141.2
Net-(C178-Pad1): C178.1 U36.4 U37.6 U37.7
Net-(C178-Pad2): C178.2 R138.1 R142.2
Net-(C179-Pad1): C179.1 U36.5 U37.8 U37.9
Net-(C179-Pad2): C179.2 R139.1 R143.2
Net-(C180-Pad1): C180.1 U36.6 U37.13 U37.14
Net-(C180-Pad2): C180.2 R140.1 R144.2
Net-(C183-Pad1): C183.1 R145.2 U39.3
Net-(C184-Pad1): C184.1 R146.2 U39.5
Net-(C185-Pad1): C185.1 R147.2 U39.10
Net-(C186-Pad1): C186.1 R148.2 U39.12
Net-(C187-Pad1): C187.1 U38.3 U39.1 U39.2
Net-(C187-Pad2): C187.2 R145.1 R149.2
Net-(C188-Pad1): C188.1 U38.4 U39.6 U39.7
Net-(C188-Pad2): C188.2 R146.1 R150.2
Net-(C189-Pad1): C189.1 U38.5 U39.8 U39.9
Net-(C189-Pad2): C189.2 R147.1 R151.2
Net-(C190-Pad1): C190.1 U38.6 U39.13 U39.14
Net-(C190-Pad2): C190.2 R148.1 R152.2
Net-(C193-Pad1): C193.1 R153.2 U41.3
Net-(C194-Pad1): C194.1 R154.2 U41.5
Net-(C195-Pad1): C195.1 R155.2 U41.10
Net-(C196-Pad1): C196.1 R156.2 U41.12
Net-(C197-Pad1): C197.1 U40.3 U41.1 U41.2
Net-(C197-Pad2): C197.2 R153.1 R157.2
Net-(C198-Pad1): C198.1 U40.4 U41.6 U41.7
Net-(C198-Pad2): C198.2 R154.1 R158.2
Net-(C199-Pad1): C199.1 U40.5 U41.8 U41.9
Net-(C199-Pad2): C199.2 R155.1 R159.2
Net-(C200-Pad1): C200.1 U40.6 U41.13 U41.14
Net-(C200-Pad2): C200.2 R156.1 R160.2
Net-(C203-Pad1): C203.1 R161.2 U43.3
Net-(C204-Pad1): C204.1 R162.2 U43.5
Net-(C205-Pad1): C205.1 R163.2 U43.10
Net-(C206-Pad1): C206.1 R164.2 U43.12
Net-(C207-Pad1): C207.1 U42.3 U43.1 U43.2
Net-(C207-Pad2): C207.2 R161.1 R165.2
Net-(C208-Pad1): C208.1 U42.4 U43.6 U43.7
Net-(C208-Pad2): C208.2 R162.1 R166.2
Net-(C209-Pad1): C209.1 U42.5 U43.8 U43.9
Net-(C209-Pad2): C209.2 R163.1 R167.2
Net-(C210-Pad1): C210.1 U42.6 U43.13 U43.14
Net-(C210-Pad2): C210.2 R164.1 R168.2
Net-(C213-Pad1): C213.1 R169.2 U45.3
Net-(C214-Pad1): C214.1 R170.2 U45.5
Net-(C215-Pad1): C215.1 R171.2 U45.10
Net-(C216-Pad1): C216.1 R172.2 U45.12
Net-(C217-Pad1): C217.1 U44.3 U45.1 U45.2
Net-(C217-Pad2): C217.2 R169.1 R173.2
Net-(C218-Pad1): C218.1 U44.4 U45.6 U45.7
Net-(C218-Pad2): C218.2 R170.1 R174.2
Net-(C219-Pad1): C219.1 U44.5 U45.8 U45.9
Net-(C219-Pad2): C219.2 R171.1 R175.2
Net-(C220-Pad1): C220.1 U44.6 U45.13 U45.14
Net-(C220-Pad2): C220.2 R172.1 R176.2
Net-(C223-Pad1): C223.1 R177.2 U47.3
Net-(C224-Pad1): C224.1 R178.2 U47.5
Net-(C225-Pad1): C225.1 R179.2 U47.10
Net-(C226-Pad1): C226.1 R180.2 U47.12
Net-(C227-Pad1): C227.1 U46.3 U47.1 U47.2
Net-(C227-Pad2): C227.2 R177.1 R181.2
Net-(C228-Pad1): C228.1 U46.4 U47.6 U47.7
Net-(C228-Pad2): C228.2 R178.1 R182.2
Net-(C229-Pad1): C229.1 U46.5 U47.8 U47.9
Net-(C229-Pad2): C229.2 R179.1 R183.2
Net-(C230-Pad1): C230.1 U46.6 U47.13 U47.14
Net-(C230-Pad2): C230.2 R180.1 R184.2
